# Altium PCB Ascii of Main Board V1.1.PcbDoc (part 1 of 3)
Units mm, origin at the board's own origin, x right, y up, seen from the top; angles counter-clockwise.
Board outline 116 x 140 mm, 2 copper layers (Top Layer, Bottom Layer), stack 1.58 mm thick; 266 components, 218 nets, 891 pads, 555 vias.
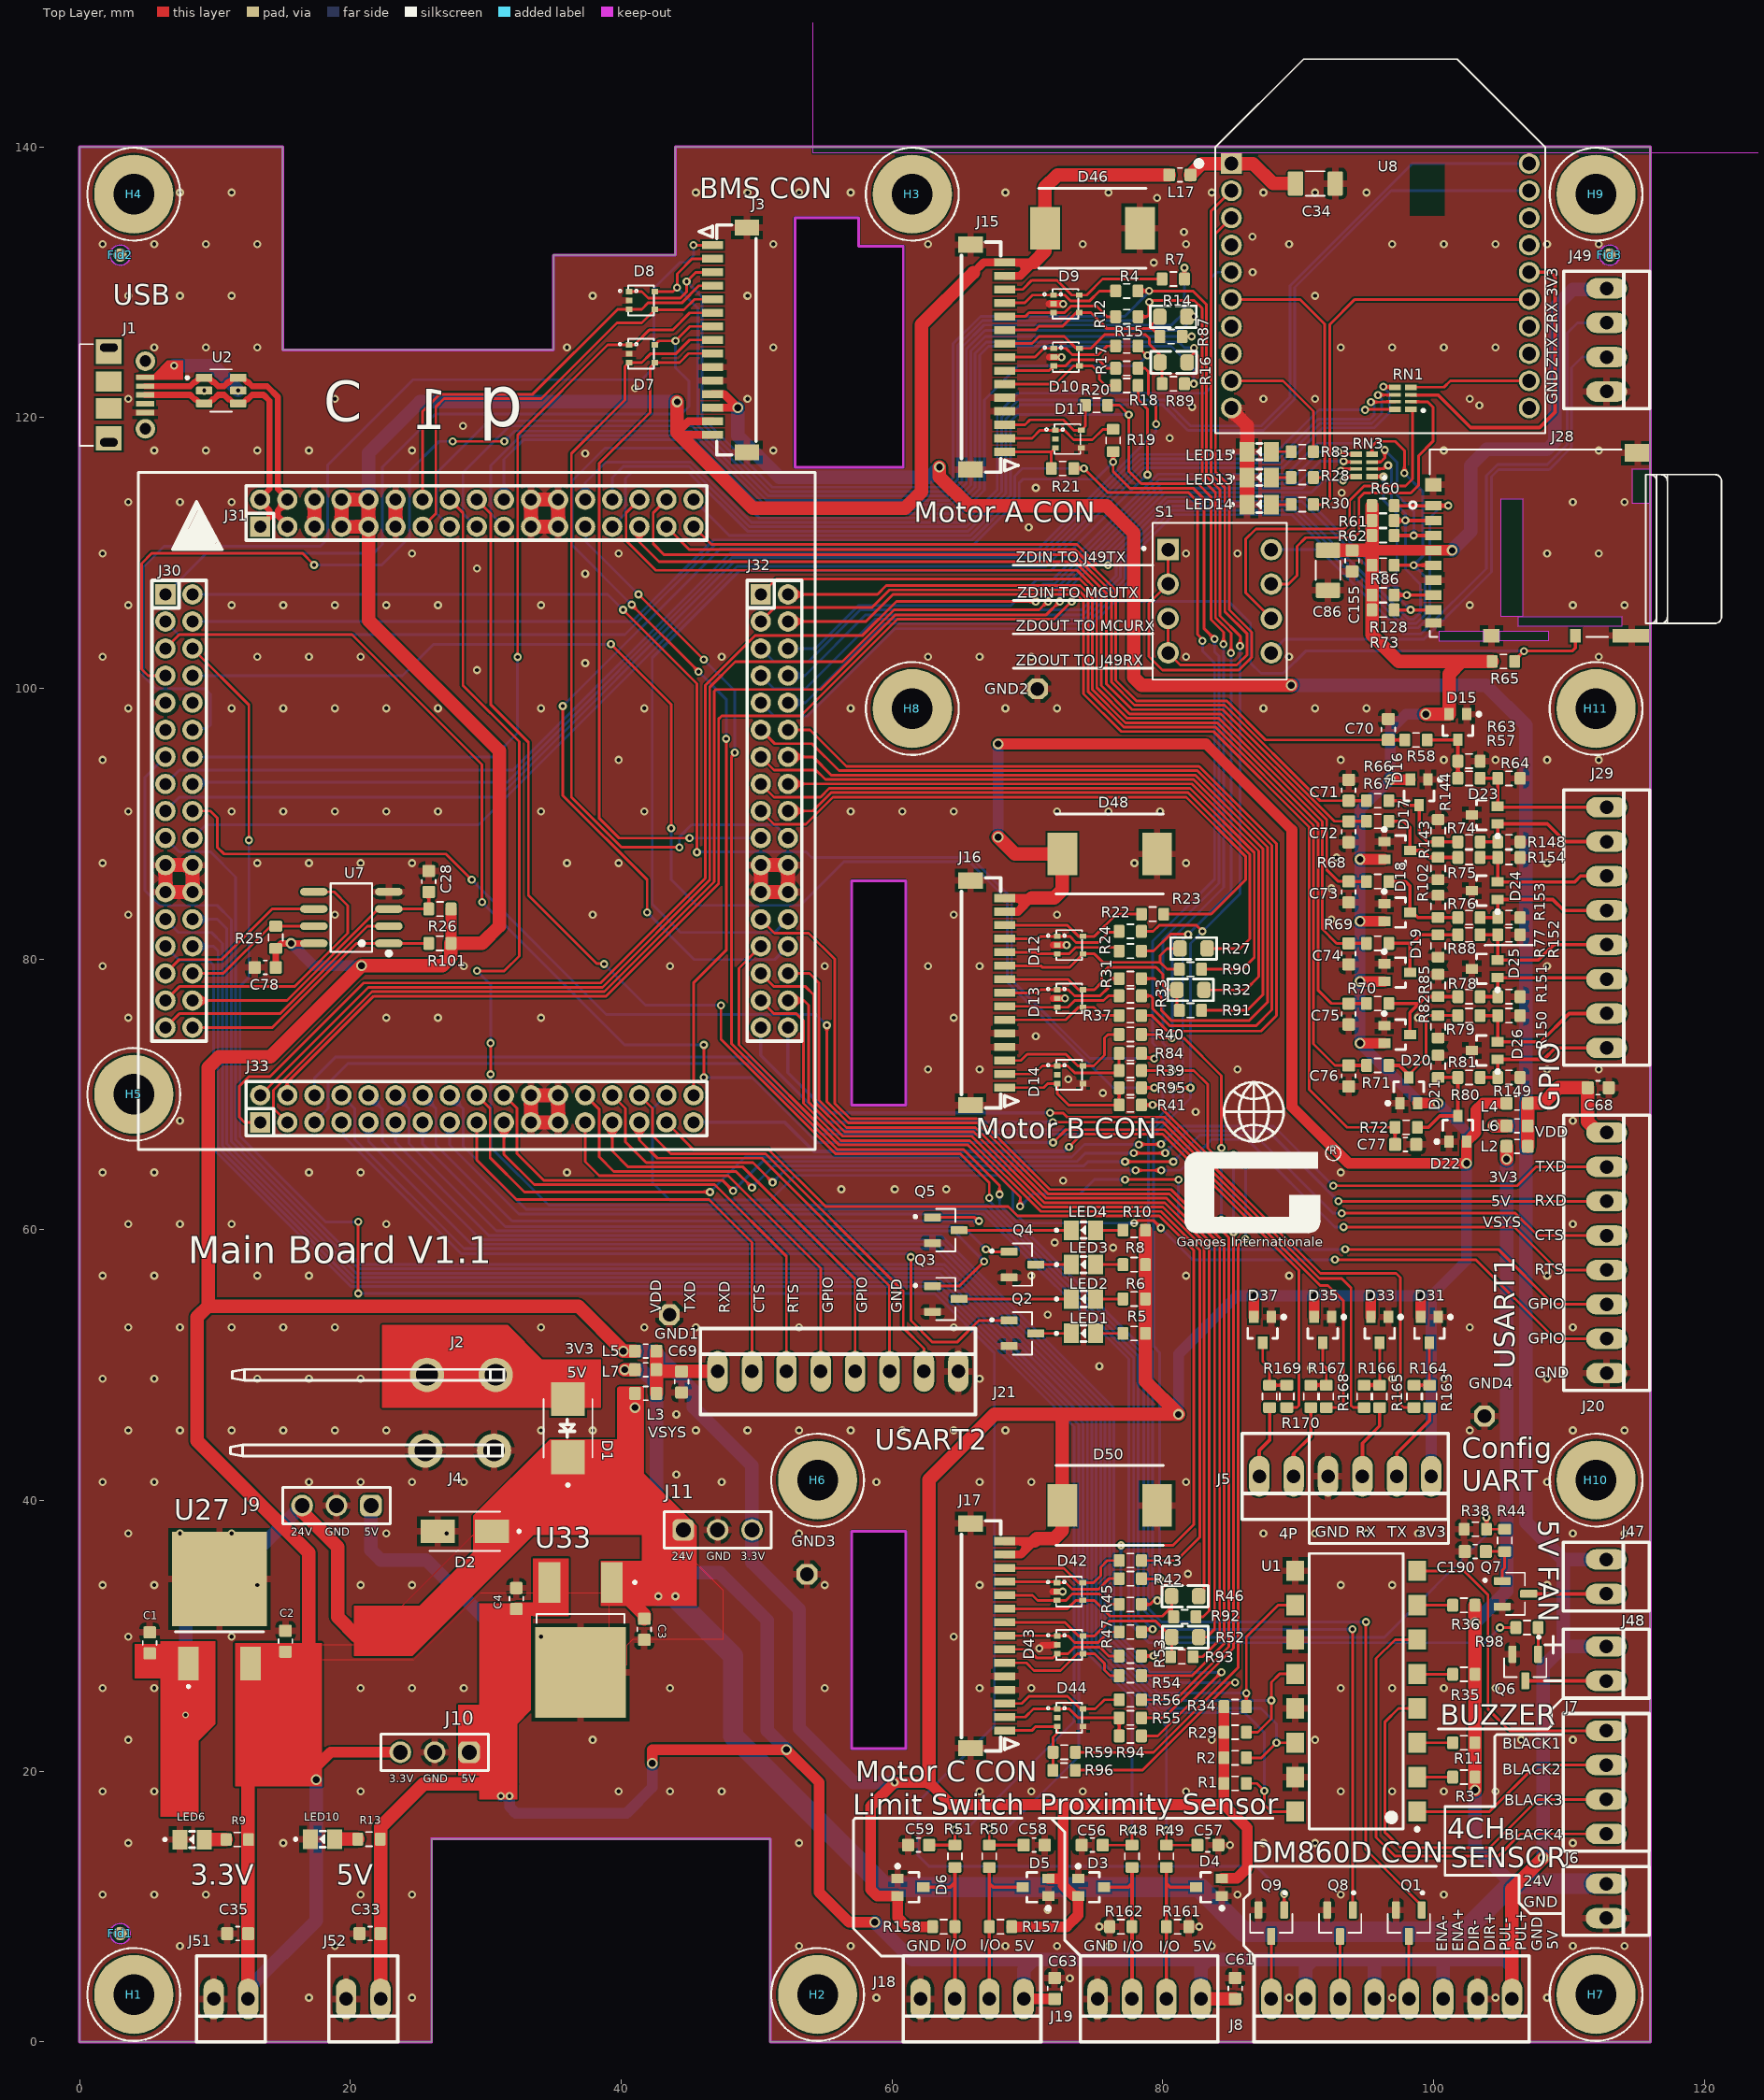
[diagram p0: Top Layer view]
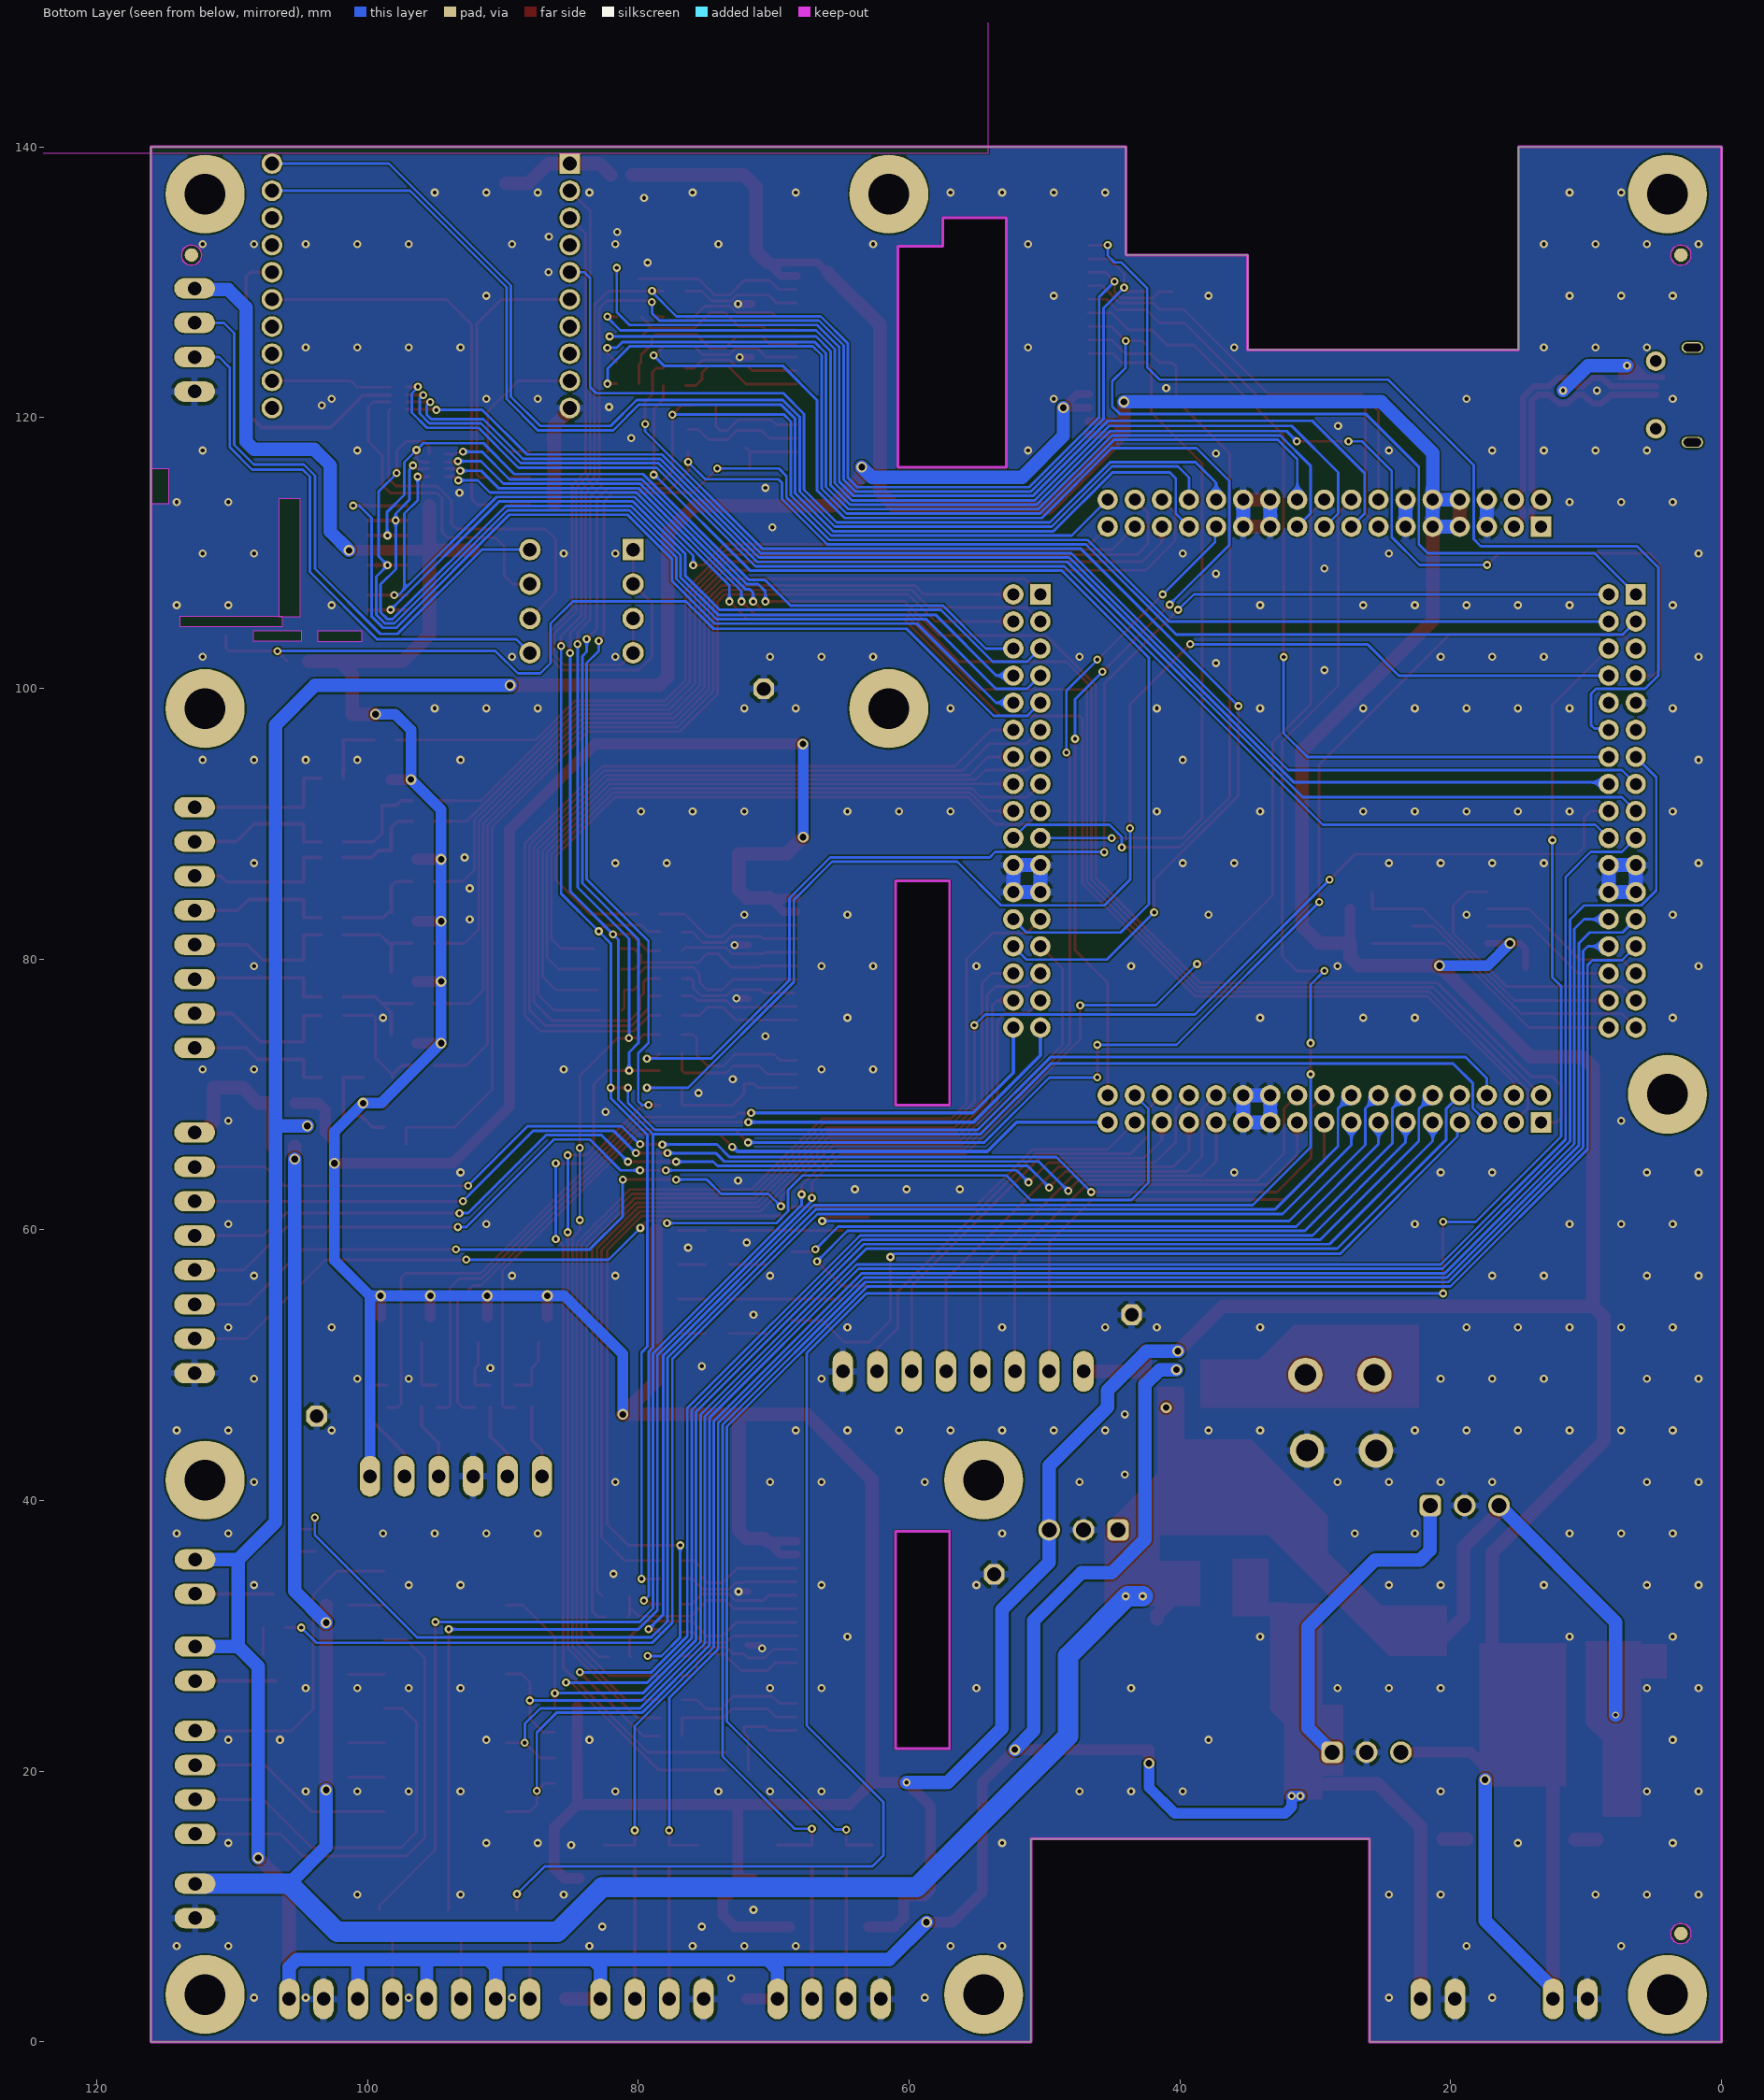
[diagram p1: Bottom Layer view, seen from below]
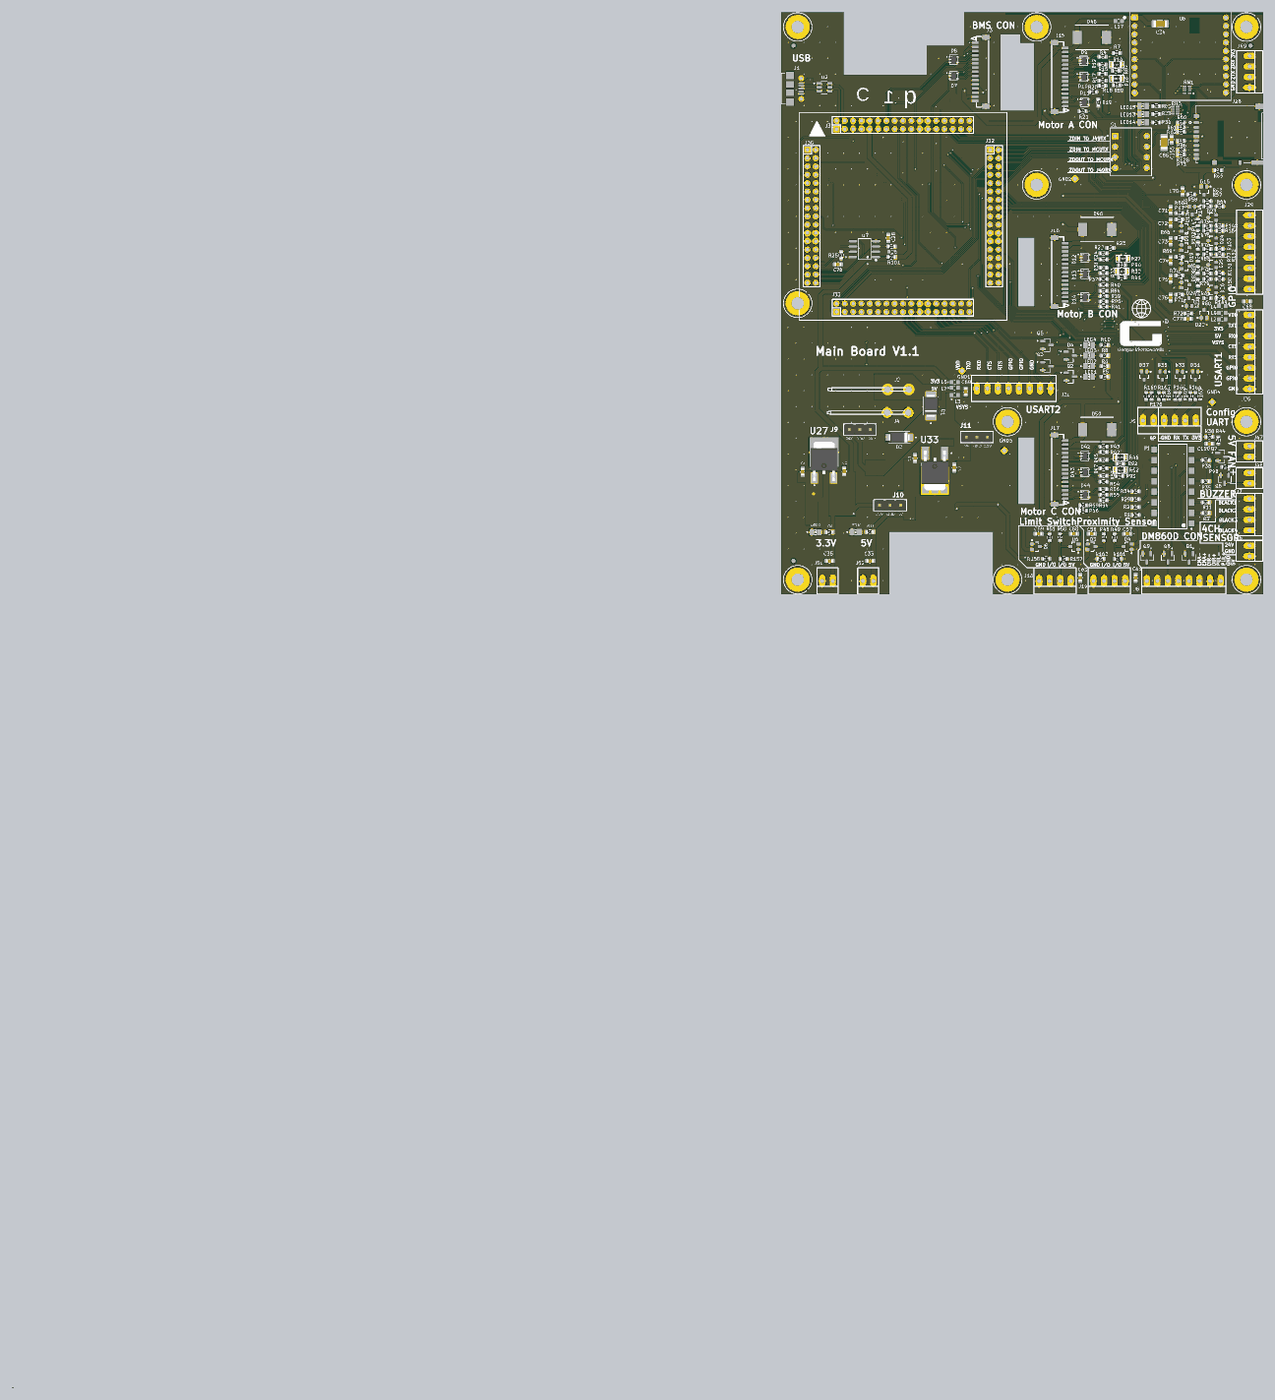
[diagram p4: 3D render of the assembled board from above, using the file's embedded part models]

## Layer stack, top to bottom
Top Solder: solder mask 0.0102, Solder Resist, Dk 3.5
Top Layer: signal copper 0.0356
Dielectric 1: dielectric 1.5086, FR-4, Dk 4.8
Bottom Layer: signal copper 0.0356
Bottom Solder: solder mask 0.0102, Solder Resist, Dk 3.5

## Board outline
0,0 0,140 15,140 15,125 35,125 35,132 44,132 44,140 116,140 116,0 51,0 51,15 26,15 26,0
cut-out: -184.991,-191.043 -184.737,-191.043 -184.737,-190.789 -184.991,-190.789
cut-out: 52.832,134.747 52.832,116.332 60.832,116.332 60.832,132.654 57.536,132.654 57.531,132.659 57.531,134.747
cut-out: 57.016,85.776 57.016,69.215 61.016,69.215 61.016,85.776
cut-out: 57.016,37.719 57.016,21.678 61.016,21.678 61.016,37.719

## Design rules (kind name [scope] priority, off if disabled: settings)
Clearance J28 [KeepoutRestrictionsSMDPad] p1: gap=0 ignorepadtopadclearanceinfootprint=FALSE
Clearance Polygon [(InNamedPolygon('GND_L01_P000')) or   (InNamedPolygon('GND_L02_P001'))] p2: gap=0.2 ignorepadtopadclearanceinfootprint=FALSE
Clearance [All] p3: gap=0.125 ignorepadtopadclearanceinfootprint=FALSE
DiffPairsRouting [All] p1: maxlimit=0.178 minlimit=0.178 mostfreqgap=0.178 toplayer_minwidth=0.457 toplayer_maxwidth=0.457 toplayer_prefwidth=0.457 bottomlayer_minwidth=0.457 bottomlayer_maxwidth=0.457 bottomlayer_prefwidth=0.457 maxuncoupledlength=12.7
HoleSize [All] p1: absolutevalues=TRUE maxlimit=10 minlimit=0.025 maxpercent=80.000 minpercent=20.000
MinimumSolderMaskSliver [All] p1: minsoldermaskwidth=0
PolygonConnect [All] p1: thpad.connectstyle=Relief thpad.reliefconductorwidth=0.508 thpad.reliefentries=4 thpad.polygonreliefangle="90 Angle" thpad.airgapwidth=0.254 smdpad.connectstyle=Relief smdpad.reliefconductorwidth=0.508 smdpad.reliefentries=4 smdpad.polygonreliefangle="90 Angle" smdpad.airgapwidth=0.254 via.connectstyle=Direct via.reliefconductorwidth=0.254 via.reliefentries=4 via.polygonreliefangle="90 Angle" via.airgapwidth=0.254
RoomDefinition "Main Board V1.1" [InComponentClass('Main Board V1.1')] p1: confinementstyle=ConfineIn formatcopy=TRUE lockcomponents=FALSE outline -3,-1.397 139.7,-1.397 139.7,157.861 -3,157.861
RoutingVias [All] p1: holewidth=0.3 width=0.5 viastyle="Through Hole" minholewidth=0.3 minwidth=0.5 maxholewidth=0.711 maxwidth=1.27
SilkToSilkClearance [All] p1: silktosilkclearance=0
SilkToSolderMaskClearance [IsPad] p1: minsilkscreentomaskgap=0 clearancetoexposedcopper=TRUE
SolderMaskExpansion [All] p1: expansion=0.102 istentingtop=FALSE
UnRoutedNet [All] p1: checkbadconnections=TRUE
Width [All] p1: maxlimit=10 minlimit=0.2 preferedwidth=0.2
24 further rules are at their usual default settings.

## Classes and differential pairs
net class 90ohm: HSD_N HSD_P

## Components (designator, comment, footprint, x,y, rotation, side; value= is the part's Value field where it differs from the comment)
C1 "1uF" C_0603_1608Metric 5.175,29.475 r270 top
C2 "1uF" C_0603_1608Metric 15.2,29.6 r270 top
C3 "0.33uF" C_0603_1608Metric 41.7,30.475 r90 top
C4 "0.1uF" C_0603_1608Metric 32.25,32.75 r270 top
C28 "100nF" C_0603_1608METRIC 25.784,85.725 r270 top
C33 "NC/100nF 50V" C_0603_1608METRIC 21.45,8.001 r0 top value="100nF 50V"
C34 "10uF" C_1206_3216METRIC 91.264,137.287 r180 top value="10uF 50V"
C35 "NC/100nF 50V" C_0603_1608METRIC 11.671,8.001 r0 top value="100nF 50V"
C56 "1nF 50V" C_0603_1608METRIC 74.79,14.541 r0 top
C57 "1nF 50V" C_0603_1608METRIC 83.325,14.541 r180 top
C58 "1nF 50V" C_0603_1608METRIC 70.498,14.541 r180 top
C59 "1nF 50V" C_0603_1608METRIC 61.963,14.541 r0 top
C61 "100nF" C_0603_1608METRIC 85.344,3.95 r270 top
C63 "100nF" C_0603_1608METRIC 72.009,3.95 r270 top
C68 "100nF" C_0603_1608METRIC 112.154,70.485 r0 top
C69 "100nF" C_0603_1608METRIC 44.455,48.755 r90 top
C70 "NC/100nF 50V" C_0603_1608METRIC 96.647,96.957 r90 top
C71 "NC/100nF 50V" C_0603_1608METRIC 93.726,92.467 r90 top
C72 "NC/100nF 50V" C_0603_1608METRIC 93.726,89.395 r270 top
C73 "NC/100nF 50V" C_0603_1608METRIC 93.726,84.95 r270 top
C74 "NC/100nF 50V" C_0603_1608METRIC 93.726,80.378 r270 top
C75 "NC/100nF 50V" C_0603_1608METRIC 93.726,75.933 r270 top
C76 "NC/100nF 50V" C_0603_1608METRIC 93.726,71.361 r270 top
C77 "NC/100nF" C_0603_1608METRIC 97.93,66.294 r0 top
C78 "100nF" C_0603_1608METRIC 13.706,79.375 r0 top
C86 "10uF" C_1206_3216METRIC 92.202,108.711 r90 top value="10uF 50V"
C155 "100nF" C_0603_1608METRIC 93.98,109.411 r90 top
C190 "NC" C_0603_1608METRIC 103.075,36.227 r0 top
D1 "SS34B-HF" FP-95402-MFG 36.068,45.339 r90 top
D2 "SMAJ28A-13-F" SMA 28.448,37.719 r180 top
D3 "BAT54SW_R1_00001" ONSC-SOT-323-3-419-04_V 74.699,11.429 r0 top
D4 "BAT54SW_R1_00001" ONSC-SOT-323-3-419-04_V 83.416,11.429 r180 top
D5 "BAT54SW_R1_00001" ONSC-SOT-323-3-419-04_V 70.589,11.429 r180 top
D6 "BAT54SW_R1_00001" ONSC-SOT-323-3-419-04_V 61.364,11.429 r0 top
D7 "MSQA6V1W5T2G" SOT95P280X145-5N 41.529,124.714 r0 top
D8 "MSQA6V1W5T2G" SOT95P280X145-5N 41.529,128.651 r0 top
D9 "MSQA6V1W5T2G" SOT95P280X145-5N 72.883,128.397 r0 top
D10 "MSQA6V1W5T2G" SOT95P280X145-5N 72.898,124.46 r0 top
D11 "MSQA6V1W5T2G" SOT95P280X145-5N 73.025,118.411 r0 top
D12 "MSQA6V1W5T2G" SOT95P280X145-5N 73.152,81.026 r0 top
D13 "MSQA6V1W5T2G" SOT95P280X145-5N 73.152,77.087 r0 top
D14 "MSQA6V1W5T2G" SOT95P280X145-5N 73.152,71.45 r0 top
D15 "NC/BAT54SWT1G" ONSC-SOT-323-3-419-04_V 101.791,97.132 r270 top value=BAT54S
D16 "NC/BAT54SWT1G" ONSC-SOT-323-3-419-04_V 98.933,92.306 r270 top value=BAT54S
D17 "NC/BAT54SWT1G" ONSC-SOT-323-3-419-04_V 97.305,88.011 r0 top value=BAT54S
D18 "NC/BAT54SWT1G" ONSC-SOT-323-3-419-04_V 97.305,83.439 r0 top value=BAT54S
D19 "NC/BAT54SWT1G" ONSC-SOT-323-3-419-04_V 97.305,78.994 r0 top value=BAT54S
D20 "NC/BAT54SWT1G" ONSC-SOT-323-3-419-04_V 97.305,74.422 r0 top value=BAT54S
D21 "NC/BAT54SWT1G" ONSC-SOT-323-3-419-04_V 98.171,70.297 r90 top value=BAT54S
D22 "NC/BAT54SWT1G" ONSC-SOT-323-3-419-04_V 101.791,67.46 r90 top value=BAT54S
D23 "NC/BAT54A-7-F" ONSC-SOT-323-3-419-04_V 103.782,90.632 r180 top
D24 "NC/BAT54A-7-F" ONSC-SOT-323-3-419-04_V 103.782,85.044 r180 top
D25 "NC/BAT54A-7-F" ONSC-SOT-323-3-419-04_V 103.782,79.268 r180 top
D26 "NC/BAT54A-7-F" ONSC-SOT-323-3-419-04_V 103.782,73.233 r180 top
D31 "BAT54SW_R1_00001" ONSC-SOT-323-3-419-04_V 99.695,52.598 r270 top
D33 "BAT54SW_R1_00001" ONSC-SOT-323-3-419-04_V 96.012,52.598 r270 top
D35 "NC/BAT54SWT1G" ONSC-SOT-323-3-419-04_V 91.821,52.598 r270 top
D37 "NC/BAT54SWT1G" ONSC-SOT-323-3-419-04_V 87.376,52.598 r270 top
D42 "MSQA6V1W5T2G" SOT95P280X145-5N 73.137,33.27 r0 top
D43 "MSQA6V1W5T2G" SOT95P280X145-5N 73.152,29.333 r0 top
D44 "MSQA6V1W5T2G" SOT95P280X145-5N 73.152,23.95 r0 top
D46 "SMLJ5.0CA" DIONM7959X262N 74.803,133.985 r0 top
D48 "SMLJ5.0CA" DIONM7959X262N 76.073,87.757 r0 top
D50 "SMLJ5.0CA" DIONM7959X262N 76.073,39.624 r0 top
Fid1 "Fiducial mark" Fiducial_1mm_Mask2mm 3,8 r90 top
Fid2 "Fiducial mark" Fiducial_1mm_Mask2mm 3,132 r90 top
Fid3 "Fiducial mark" Fiducial_1mm_Mask2mm 113,132 r90 top
GND1 "Ground Mark" 1X01 43.561,53.721 r0 top
GND2 "Ground Mark" 1X01 70.739,99.949 r0 top
GND3 "Ground Mark" 1X01 53.721,34.544 r0 top
GND4 "Ground Mark" 1X01 103.759,46.228 r0 top
H1 "MountingHole" 3,0-PAD 4,3.5 r0 top
H2 "MountingHole" 3,0-PAD 54.5,3.5 r0 top
H3 "MountingHole" 3,0-PAD 61.5,136.5 r0 top
H4 "MountingHole" 3,0-PAD 4,136.5 r0 top
H5 "MountingHole" 3,0-PAD 4,70 r0 top
H6 "MountingHole" 3,0-PAD 54.5,41.5 r0 top
H7 "MountingHole" 3,0-PAD 112,3.5 r0 top
H8 "MountingHole" 3,0-PAD 61.5,98.5 r0 top
H9 "MountingHole" 3,0-PAD 112,136.5 r0 top
H10 "MountingHole" 3,0-PAD 112,41.5 r0 top
H11 "MountingHole" 3,0-PAD 112,98.5 r0 top
J1 "NC/105017-0001" MOLEX_105017-0001 2.159,121.666 r270 top
J2 "197134001" "Crimp male 90 degree 0.25(6.35mm)" 28.194,49.276 r0 top
J3 "A1001WV-S-15P" "SH1.0 1X15P SMT VERTICAL" 48.015,125.731 r90 top
J4 "197134001" "Crimp male 90 degree 0.25(6.35mm)" 28.067,43.688 r0 top
J5 "22-23-2061" 22-23-2061 93.472,41.783 r180 top
J6 "22-23-2021" 22-23-2021 112.741,10.414 r270 top
J7 "22-23-2041" 22-23-2041 112.741,19.177 r270 top
J8 "22-23-2081" 22-23-2081 96.901,3.175 r180 top
J9 "61300311121" 61300311121 18.975,39.625 r180 top
J10 "61300311121" 61300311121 26.225,21.4 r180 top
J11 "61300311121" 61300311121 47.122,37.823 r0 top
J15 "A1001WV-S-15P" "SH1.0 1X15P SMT VERTICAL" 67.065,124.461 r270 top locked
J16 "A1001WV-S-15P" "SH1.0 1X15P SMT VERTICAL" 67.065,77.5 r270 top
J17 "A1001WV-S-15P" "SH1.0 1X15P SMT VERTICAL" 67.065,30 r270 top
J18 "22-23-2041" 22-23-2041 65.913,3.175 r180 top
J19 "22-23-2041" 22-23-2041 78.994,3.175 r180 top
J20 "22-23-2081" 22-23-2081 112.776,58.293 r270 top
J21 "22-23-2081" 22-23-2081 56.007,49.53 r0 top
J28 "DM3AT-SF-PEJM5" HRS_DM3AT-SF-PEJM5 99.967,113.486 r90 top
J29 "NC/22-23-2081" 22-23-2081 112.776,82.319 r270 top
J30 "NPPN172AFCN-RC" HDR-TH_34P-P2.00-V-M-R2-C17-S2.00 7.337,90.932 r270 top
J31 "NPPN172AFCN-RC" HDR-TH_34P-P2.00-V-M-R2-C17-S2.00 29.337,112.932 r0 top
J32 "NPPN172AFCN-RC" HDR-TH_34P-P2.00-V-M-R2-C17-S2.00 51.308,90.932 r270 top
J33 "NPPN172AFCN-RC" HDR-TH_34P-P2.00-V-M-R2-C17-S2.00 29.337,68.932 r0 top
J47 "NC/22-23-2021" 22-23-2021 112.741,34.369 r270 top
J48 "NC/22-23-2021" 22-23-2021 112.741,27.94 r270 top
J49 "NC/22-23-2041" 22-23-2041 112.776,125.73 r270 top
J51 "NC/22-23-2021" 22-23-2021 11.176,3.175 r180 top
J52 "NC/22-23-2021" 22-23-2021 20.955,3.175 r180 top
L2 "NC/600@100M" L_0603_1608Metric 106.172,66.155 r180 top
L3 "600@100M" L_0603_1608Metric 41.807,47.907 r0 top
L4 "600@100M" L_0603_1608Metric 106.172,69.342 r180 top
L5 "NC/600@100M" L_0603_1608Metric 41.807,51.031 r0 top
L6 "NC/600@100M" L_0603_1608Metric 106.172,67.667 r180 top
L7 "NC/600@100M" L_0603_1608Metric 41.807,49.657 r0 top
L17 "600@100M" L_0603_1608Metric 81.255,137.922 r180 top
LED1 "150080VS75000" LEDC2012X120N 74.148,52.342 r0 top
LED2 "150080VS75000" LEDC2012X120N 74.148,54.882 r0 top
LED3 "150080VS75000" LEDC2012X120N 74.148,57.422 r0 top
LED4 "150080VS75000" LEDC2012X120N 74.148,59.962 r0 top
LED6 "150080SS75000" LEDC2012X120N 8.3,14.95 r0 top